# KiCad board FrontEnd_5G.kicad_pcb (continued)
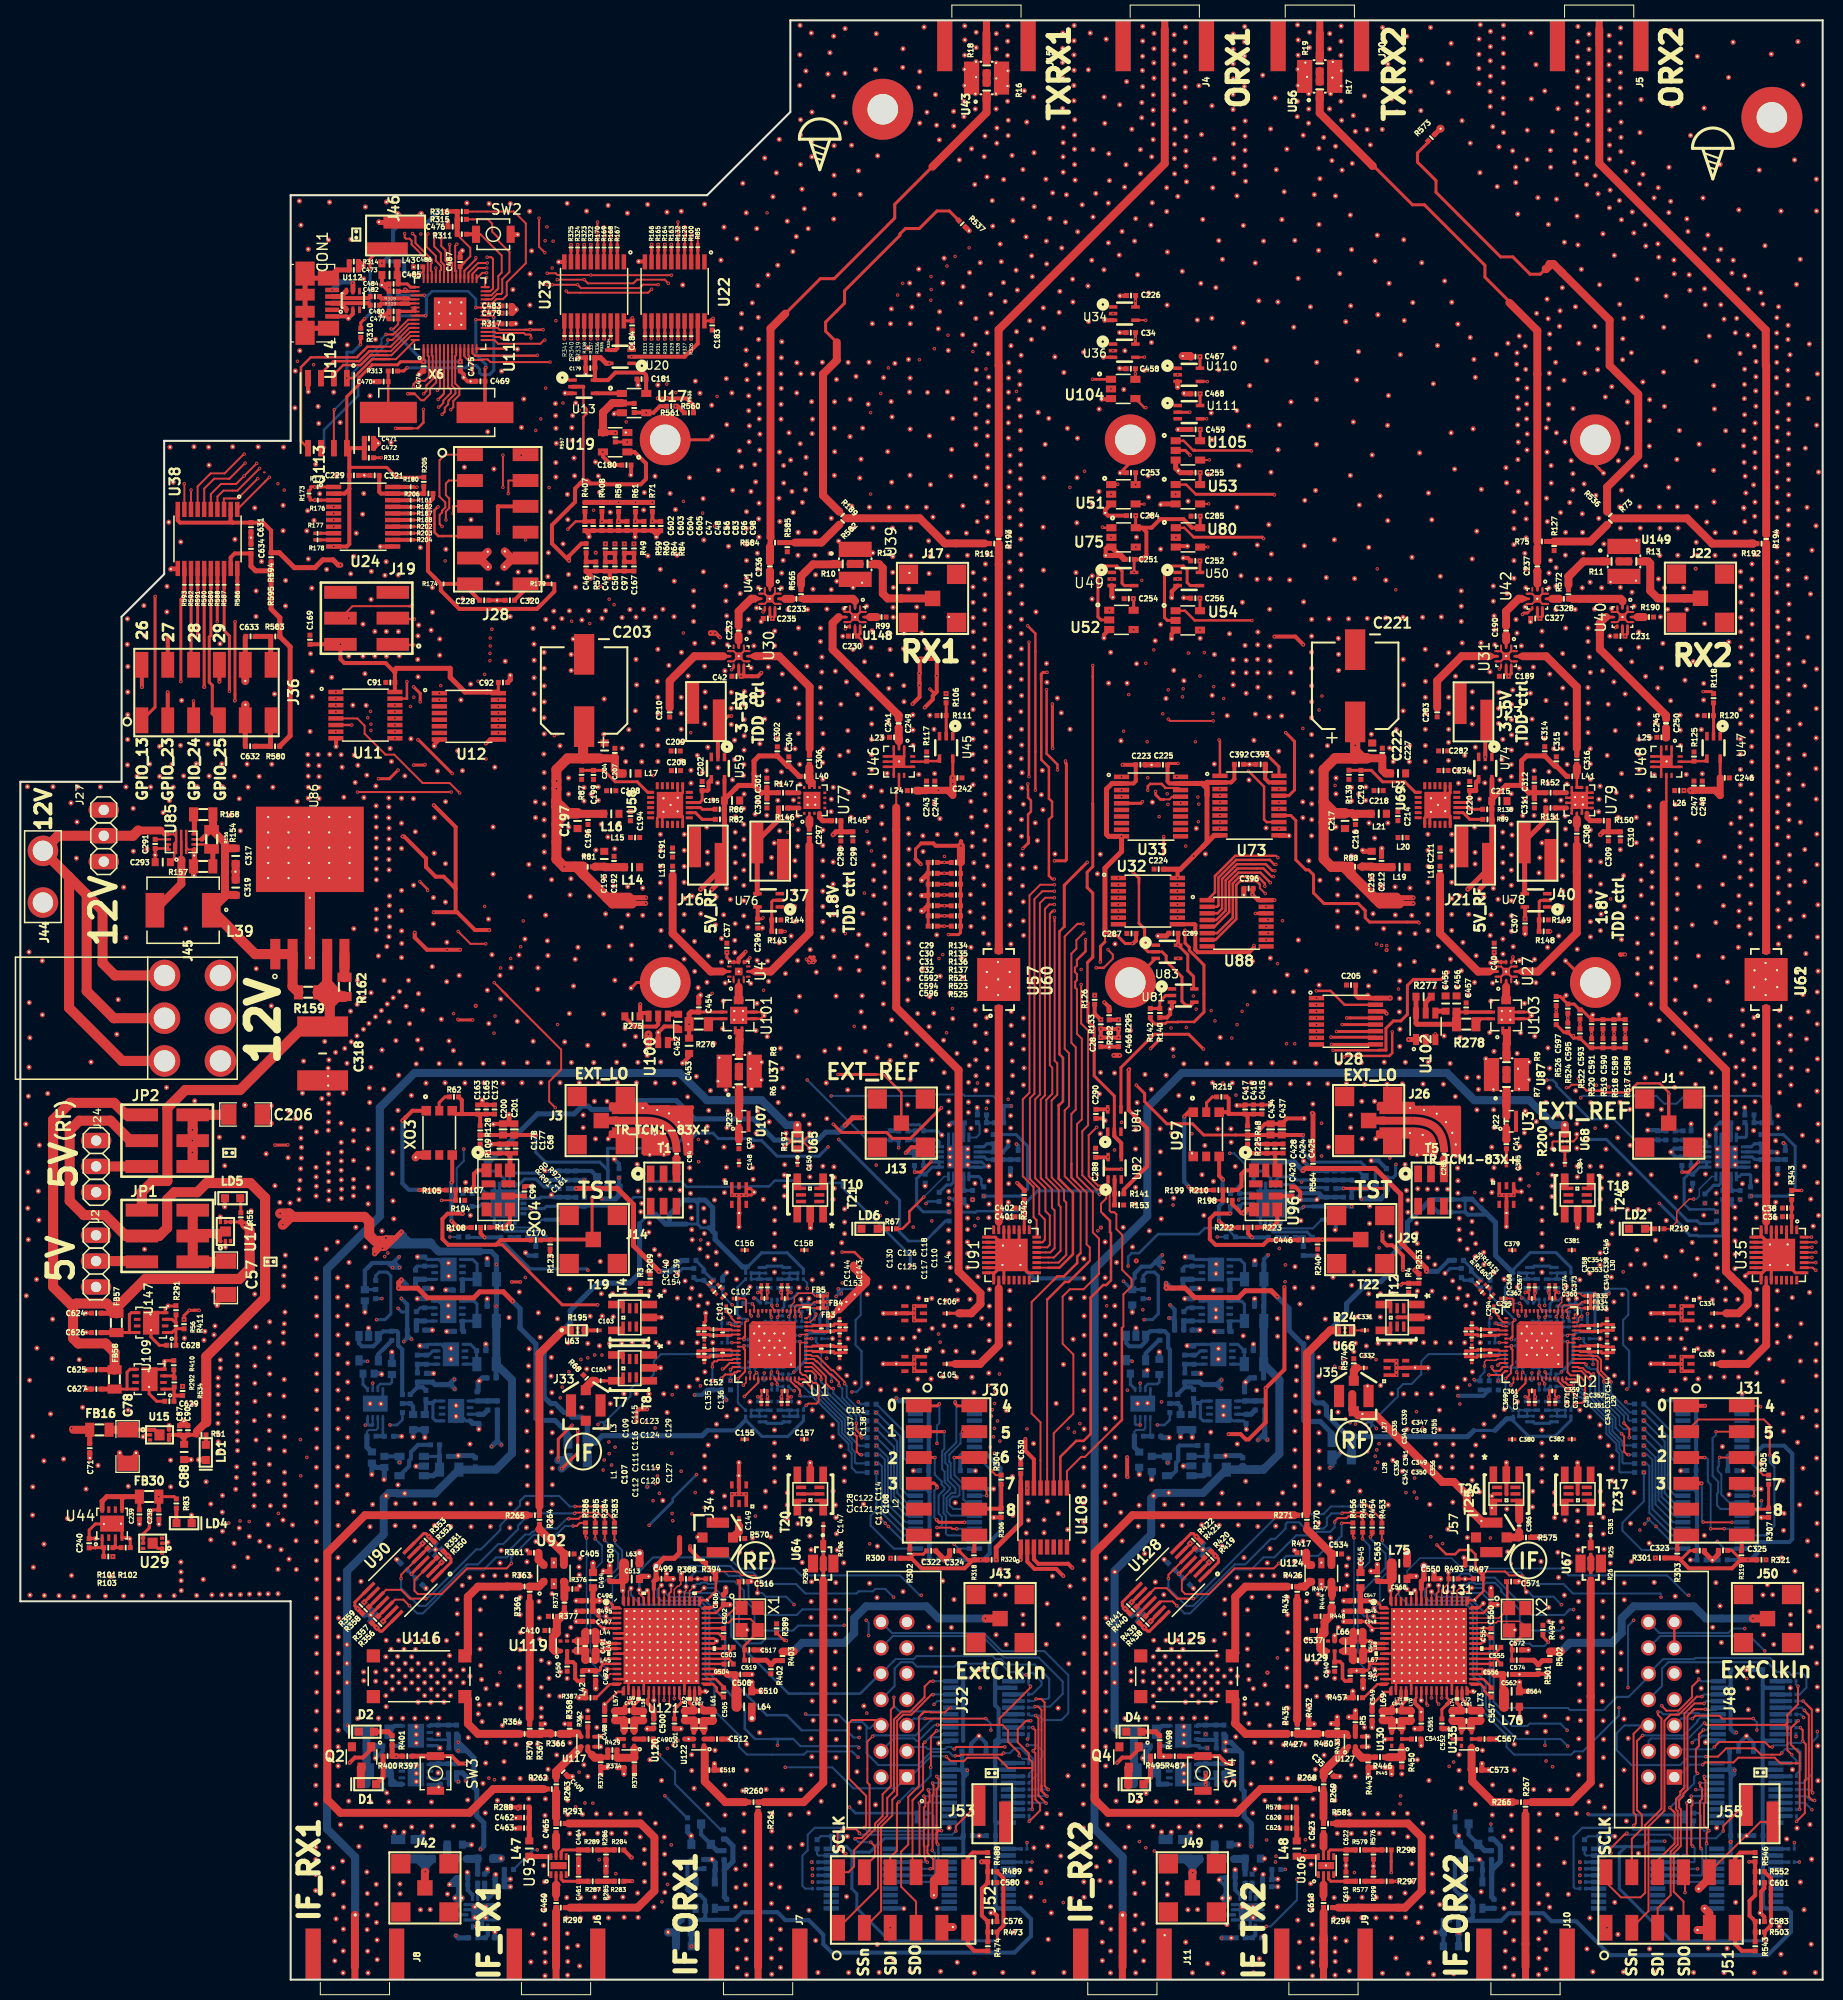
[diagram p0: board, top side]
## Routing (per net, layer and track width the routed paths; a pad name or vN(x,y) marks a point on that pad's centre or on a via; arc(x,y) is an arc through that point) (continued)
Net-(R590-Pad1): length 1.3
  F.RO w0.4: R590.1 18.08,137.38 18.08,138.71
Net-(R591-Pad1): length 1.3
  F.RO w0.4: R591.1 17.42,137.38 U38.14
Net-(R592-Pad1): length 1.3
  F.RO w0.4: R592.1 16.77,137.38 U38.13
Net-(R593-Pad1): length 1.3
  F.RO w0.4: U38.12 16.12,138.71 R593.1
Net-(U11-Pad9): length 13.1
  F.FR4 w0.25: v1(38.35,125.14) 38.5,124.99 44.46,124.99 44.61,125.14 45.18,125.14 45.18,125.15 v1(46.99,125.15)
  B.FR4 w0.25: v1(38.35,125.14) 37.98,125.14 37.35,124.51 37.35,122.03 37.34,122.02 v1(36.82,122.02) ; 46.99,125.14 v1(46.99,125.15)
  B.FR4 w0.3: 36.82,122.01 v1(36.82,122.02)
Net-(U13-Pad4): length 2.7
  F.RO w0.4: U17.1 59.12,155.92 U13.4
Net-(U28-Pad9): length 41.1
  F.RO w0.25: 113.84,106.98 113.84,106.99 v1(113.74,106.99) ; v1(128.88,91.92) 128.89,91.93 U28.9
  F.RO w0.3: 128.89,91.93 v1(128.88,91.92) 133.21,91.92 U28.9
  F.FR4 w0.2: 128.38,92.31 128.76,91.92 ; 128.38,92.31 128.76,91.92 ; 128.38,92.31 128.38,92.96 128.43,93.01 128.43,97.79 127.71,98.51 125.93,98.51 124.84,99.6 123.84,99.6 v1(123.58,99.86) ; 128.76,91.92 v1(128.88,91.92) 128.76,91.92 ; 122.06,105.03 121.71,105.39 121.28,105.39 120.71,104.81 120.36,104.81 120.36,104.81 ; 122.06,105.03 122.12,104.97 ; 122.06,105.03 122.26,104.83
  F.FR4 w0.25: 120.36,104.81 117.66,104.81 115.49,106.98 ; 122.26,104.83 123.32,104.83 v1(124.07,104.08) ; 115.49,106.98 113.84,106.98 115.49,106.98 ; 115.49,106.98 113.75,106.98 v1(113.74,106.99)
  B.FR4 w0.2: 124.01,104.02 v1(124.07,104.08)
  B.FR4 w0.25: v1(113.74,106.99) 113.74,106.98 ; 124.01,104.02 124.01,100.31 123.58,99.88 v1(123.58,99.86)
Net-(U32-Pad9): length 16.5
  F.RO w0.3: U88.14 121.58,104.81 U88.14 ; U88.14 121.42,104.81 v1(121.4,104.79) ; 121.27,101.46 v1(121.27,101.65) ; U32.9 113.74,103.71
  F.RO w0.4: 121.27,101.46 120.8,100.99 115.74,100.99 115.5,101.23 115.5,103.67 115.44,103.74 U32.9
  B.FR4 w0.25: v1(121.4,104.79) 121.27,104.66 v1(121.27,101.65)
Net-(U35-Pad7): length 21.8
  F.RO w0.3: 171.62,95.47 U61.1 ; U35.7 171.62,74.5
  F.RO w0.79: U61.1 171.62,95.47 171.62,74.5
Net-(U49-Pad4): length 11
  F.RO w0.3: U49.4 108.52,137.02 108.3,137.24 108.3,138.45 107.8,138.95 106.46,138.95 105.93,138.42 105.93,133.95 106.23,133.65 U52.2
Net-(U50-Pad4): length 11.1
  F.RO w0.3: U50.4 115,137.02 114.7,137.32 114.7,138.58 114.33,138.95 112.86,138.95 112.47,138.56 112.47,133.88 112.75,133.6 U54.2
Net-(U57-Pad1): length 21.8
  F.RO w0.25: U91.7 96.18,74.5
  F.RO w0.79: U57.1 96.18,74.5

## Copper pours and planes (outline as drawn; the poured copper is in the pictures)
+1.8V on F.FR4: 126.08,119.71 126.08,116.14 126.62,115.6 126.62,112.53 127.47,111.68 129.18,111.68 136.19,104.67 156.98,104.67 156.98,101.93 142.39,101.93 141.95,102.37 119.79,102.37 119.79,100.26 107.37,100.26 107.37,119.75 107.58,119.97 125.82,119.97
+1.8V on F.FR4: 50.64,119.71 50.64,116.14 51.18,115.6 51.18,112.53 52.03,111.68 53.74,111.68 60.75,104.67 81.54,104.67 81.54,101.93 66.95,101.93 66.51,102.37 44.35,102.37 44.35,100.26 31.93,100.26 31.93,119.75 32.14,119.97 50.38,119.97
+1.8V_#1 on F.FR4: 69.69,65.34 71.21,65.34 71.35,65.2 73.14,65.2 74.78,63.91 74.79,63.91 80.25,59.62 80.25,58.45 79.21,58.45 73.1,62.76 72.12,63.44 61.64,63.44 56.06,57.86 56.06,56.25 55.97,56.25 55.97,52.3 50.47,46.8 49.33,46.8 48.05,48.08 48.05,49.57 52.57,54.09 52.57,59.57 59.72,66.72 68.31,66.72
+1.8V_#2 on F.FR4: 145.13,65.34 146.65,65.34 146.79,65.2 148.49,65.2 148.88,65.59 152.36,65.59 155.78,62.17 155.78,58.74 155.69,58.74 155.69,58.45 154.65,58.45 154.24,58.74 153.65,58.74 152.24,60.15 148.54,62.76 147.56,63.44 137.08,63.44 131.5,57.86 131.5,56.25 131.41,56.25 131.41,52.3 125.91,46.8 124.77,46.8 123.49,48.08 123.49,49.57 128.01,54.09 128.01,59.57 135.16,66.72 143.75,66.72
+1.8V_PLL_#1 on F.FR4: 73.59,69.81 79.01,69.81 80.91,67.91 80.91,66.92 80.58,66.59 79.64,66.59 79.64,67.49 78.93,68.2 72.51,68.2 72.1,67.79 69.09,70.8 53.05,70.8 47.39,65.14 47.39,49.64 47.4,49.64 47.4,46.2 39.54,46.2 39.54,67.34 49.8,77.6 65.8,77.6
+1.8V_PLL_#2 on F.FR4: 149.03,69.81 154.46,69.81 156.36,67.91 156.36,66.92 156.03,66.59 155.09,66.59 155.09,67.49 154.38,68.2 147.95,68.2 147.54,67.79 144.53,70.8 128.49,70.8 122.83,65.14 122.83,49.64 122.84,49.64 122.84,46.2 114.98,46.2 114.98,67.34 125.24,77.6 141.24,77.6
+1.8V_SC1905_#2 on F.FR4: 130.6,24.92 148.36,24.92 148.36,42.96 130.6,42.96
+1.8V_SC1905_#2 on F.FR4: 55.16,24.92 72.92,24.92 72.92,42.96 55.16,42.96
+1.25V_PLL_#1 on F.FR4: 74.76,60.12 76.38,60.12 76.38,58.64 72.41,58.64 70.42,60.63 68.46,60.63 63.69,55.86 63.69,46.29 59.7,46.29 59.7,59.53 63.2,63.03 71.85,63.03
+1.25V_PLL_#2 on F.FR4: 150.2,60.12 151.82,60.12 151.82,58.64 147.85,58.64 145.86,60.63 143.9,60.63 139.13,55.86 139.13,46.29 135.14,46.29 135.14,59.53 138.64,63.03 147.29,63.03
+3.3V_#1 on F.FR4: 90.79,56.09 91.67,55.21 91.67,47.16 93.03,45.8 93.03,31.28 88.99,31.28 88.99,38.66 88.02,39.63 88.02,44.38 55.97,44.38 55.97,46.29 55.93,46.29 55.93,48.67 56.53,49.27 56.53,57.27 58.56,57.27 58.56,53.05 58.94,52.67 58.94,51.5 58.56,51.12 58.56,47.04 57.99,46.47 57.99,45.95 75.3,45.95 75.49,46.14 86.32,46.14 86.32,55.14 83.38,58.08 83.38,70.56 90.79,70.56
+3.3V_#2 on F.FR4: 166.23,56.09 167.11,55.21 167.11,47.16 168.47,45.8 168.47,31.28 164.43,31.28 164.43,38.66 163.46,39.63 163.46,44.38 131.41,44.38 131.41,46.29 131.37,46.29 131.37,48.67 131.97,49.27 131.97,57.27 134,57.27 134,47.04 133.43,46.47 133.43,45.95 150.74,45.95 150.93,46.14 161.76,46.14 161.76,55.14 158.82,58.08 158.82,70.17 166.23,70.17
+5V on F.FR4: 113.26,44.74 110.02,41.5 110.02,27.25 105.79,27.25 105.79,44.69 108.16,47.06 108.16,69.28 112.89,74.01 113.26,74.01
+5V on F.FR4: 37.82,44.74 34.58,41.5 34.58,27.25 30.35,27.25 30.35,44.69 32.72,47.06 32.72,69.28 34.1,70.66 34.1,71.23 34.89,72.02 34.89,74.01 37.82,74.01
+5V_RF on F.FR4: 133.16,120.71 152.38,120.71 155.63,117.46 158.26,117.46 158.26,105.02 136.88,105.02 136.43,105.47 136.43,106.68 137.58,107.83 137.58,107.94 143.02,107.94 143.02,112.22 143.94,113.14 143.94,116.31 133.16,116.31 133.16,112.97 127.35,112.97 127.35,127.68 133.16,127.68
+5V_RF on F.FR4: 57.72,120.71 76.94,120.71 80.19,117.46 82.82,117.46 82.82,105.02 61.44,105.02 60.99,105.47 60.99,106.68 62.14,107.83 62.14,107.94 67.58,107.94 67.58,112.22 68.5,113.14 68.5,116.31 57.72,116.31 57.72,112.97 51.91,112.97 51.91,127.68 57.72,127.68
GND on F.RO: 177.17,0 26.57,0 26.57,37.19 0,37.19 0,117.74 9.95,117.74 9.95,133.96 14.14,138.15 14.14,151.25 26.57,151.25 26.57,175.39 67.51,175.39 75.69,183.57 75.69,192.58 177.17,192.58 ; 34 cut-outs
GND on F.RO: 59.33,113.94 59.33,110.01 52.95,110.01 52.95,113.94
GND on F.RO: 134.78,110.09 128.82,110.09 128.82,113.98 134.78,113.98
GND on F.RO: 177.17,0 26.57,0 26.57,37.19 0,37.19 0,117.74 9.95,117.74 9.95,133.96 14.14,138.15 14.14,151.25 26.57,151.25 26.57,175.39 67.51,175.39 75.69,183.57 75.69,192.58 177.17,192.58 ; 10 cut-outs
GND on B2.RO: 177.17,0 26.57,0 26.57,37.19 0,37.19 0,117.74 9.95,117.74 9.95,133.96 14.14,138.15 14.14,151.25 26.57,151.25 26.57,175.39 67.51,175.39 75.69,183.57 75.69,192.58 177.17,192.58
GND on B2.RO: 120.34,81.12 125.63,81.12 127.12,79.63 127.12,78.64 125.54,78.64 124.59,79.59 120.34,79.59
GND on B2.RO: 137.83,69.09 139.47,69.09 140.64,70.26 141.44,70.26 141.44,71.36 139.8,71.36 138.76,70.32 137.83,70.32
GND on B2.RO: 66.53,85.32 72.07,85.32 74.31,83.08 79.09,83.08 80.59,84.58 81.73,84.58 81.73,83.56 80.13,81.96 73.92,81.96 71.9,83.98 65.91,83.98 64.04,85.85 59.71,85.85 58.9,85.04 55.29,85.04 54.73,84.48 51.23,84.48 46.65,79.9 45,79.9 45,81.08 45.47,81.08 50.09,85.7 53.9,85.7 54.51,86.31 57.83,86.31 58.63,87.11 64.74,87.11
GND on B.RO: 177.17,0 26.57,0 26.57,37.19 0,37.19 0,117.74 9.95,117.74 9.95,133.96 14.14,138.15 14.14,151.25 26.57,151.25 26.57,175.39 67.51,175.39 75.69,183.57 75.69,192.58 177.17,192.58
GND on F.FR4: 177.17,0 26.57,0 26.57,37.19 0,37.19 0,117.74 9.95,117.74 9.95,133.96 14.14,138.15 14.14,151.25 26.57,151.25 26.57,175.39 67.51,175.39 75.69,183.57 75.69,192.58 177.17,192.58 ; 2 cut-outs
GND on B.FR4: 177.17,0 26.57,0 26.57,37.19 0,37.19 0,117.74 9.95,117.74 9.95,133.96 14.14,138.15 14.14,151.25 26.57,151.25 26.57,175.39 67.51,175.39 75.69,183.57 75.69,192.58 177.17,192.58
GND on F2.RO: 177.17,0 26.57,0 26.57,37.19 0,37.19 0,117.74 9.95,117.74 9.95,133.96 14.14,138.15 14.14,151.25 26.57,151.25 26.57,175.39 67.51,175.39 75.69,183.57 75.69,192.58 177.17,192.58
/Clocks/EX1_#1 on F.RO: 69.57,66.07 69.13,66.07 68.01,67.2 68.51,67.7 69.57,66.64
/Clocks/EX1_#2 on F.RO: 145.02,66.07 144.58,66.07 143.46,67.2 143.96,67.7 145.02,66.64
/Clocks/EX2_#1 on F.RO: 70.23,66.78 69.71,66.78 68.65,67.84 69.15,68.33 70.23,67.26
/Clocks/EX2_#2 on F.RO: 145.68,66.78 145.16,66.78 144.1,67.84 144.6,68.33 145.68,67.26
/Clocks/EX3_#1 on F.RO: 68.35,67.87 67.85,67.37 62.62,72.61 62.62,77.01 63.75,77.01 63.75,72.46
/Clocks/EX3_#2 on F.RO: 143.79,67.87 143.29,67.37 138.06,72.61 138.06,77.01 139.19,77.01 139.19,72.46
/Clocks/EX4_#1 on F.RO: 68.98,68.51 68.49,68.01 63.97,72.54 63.97,77.01 65.21,77.01 65.21,72.28
/Clocks/EX4_#2 on F.RO: 144.42,68.51 143.93,68.01 139.41,72.54 139.41,77.01 140.65,77.01 140.65,72.28
/Clocks/EX5_#1 on F.RO: 64.13,78.37 64.13,80.29 64.34,80.76 64.34,81.06 64.69,81.06 64.69,80.76 64.89,80.29 64.89,78.37
/Clocks/EX5_#2 on F.RO: 139.56,78.38 139.56,80.3 139.77,80.77 139.77,81.07 140.12,81.07 140.12,80.77 140.32,80.3 140.32,78.38
/LMS8001_RF/IN_A1_#1 on F.RO: 56.86,63.44 59.43,63.44 59.43,64.2 56.86,64.2
/LMS8001_RF/IN_A1_#2 on F.RO: 132.3,63.44 134.87,63.44 134.87,64.2 132.3,64.2
/LMS8001_RF/IN_A2_#1 on F.RO: 66.82,64.14 66.63,63.88 66.47,63.84 66.37,63.84 65.02,65.19 63.77,65.19 63.07,65.88 62.71,65.88 62.61,65.98 61.56,65.98 61.56,65.98 60.96,65.98 60.73,65.74 60.73,65.49 60.38,65.49 60.38,66.49 60.73,66.84 63.11,66.84 63.52,66.84 64.18,66.19 65.43,66.19 66.82,64.8
/LMS8001_RF/IN_A2_#2 on F.RO: 142.26,64.14 142.07,63.88 141.91,63.84 141.81,63.84 140.46,65.19 139.21,65.19 138.51,65.88 138.15,65.88 138.05,65.98 137,65.98 137,65.98 136.4,65.98 136.17,65.74 136.17,65.49 135.82,65.49 135.82,66.49 136.17,66.84 138.55,66.84 138.96,66.84 139.62,66.19 140.87,66.19 142.26,64.8
/LMS8001_RF/IN_A3_#1 on F.RO: 66.82,63.29 66.47,63.29 66.38,63.19 65.36,63.19 64.56,64 64.2,64 63.55,63.35 60.73,63.35 60.5,63.58 60.39,63.7 60.39,64.7 60.74,64.7 60.74,64.44 60.97,64.21 61.58,64.21 61.59,64.2 62.61,64.2 62.72,64.31 63.09,64.31 63.78,65 64.96,65 66.37,63.59 66.82,63.59
/LMS8001_RF/IN_A3_#2 on F.RO: 142.26,63.29 141.91,63.29 141.82,63.19 140.8,63.19 140,64 139.64,64 138.99,63.35 136.17,63.35 135.94,63.58 135.83,63.7 135.83,64.7 136.18,64.7 136.18,64.44 136.41,64.21 137.02,64.21 137.03,64.2 138.05,64.2 138.16,64.31 138.53,64.31 139.22,65 140.4,65 141.81,63.59 142.26,63.59
/LMS8001_RF/IN_B1_#1 on F.RO: 59.42,58.48 57.23,58.48 57.23,59.24 59.42,59.24
/LMS8001_RF/IN_B1_#2 on F.RO: 132.19,60.5 133.8,60.5 134.01,60.3 134.72,60.3 134.72,59.94 134.01,59.94 133.81,59.74 132.19,59.74
/LMS8001_RF/IN_B2_#1 on F.RO: 66.82,61.63 66.37,61.63 64.96,60.23 63.77,60.23 63.08,60.92 62.71,60.92 62.61,61.02 62.6,61.02 60.97,61.02 60.73,60.78 60.73,60.53 60.38,60.53 60.38,61.53 60.73,61.88 63.54,61.88 64.19,61.23 64.55,61.23 65.35,62.03 66.37,62.03 66.46,61.94 66.82,61.94
/LMS8001_RF/IN_B2_#2 on F.RO: 142.26,61.63 141.81,61.63 140.4,60.23 139.21,60.23 138.52,60.92 138.15,60.92 138.05,61.02 138.04,61.02 136.41,61.02 136.17,60.78 136.17,60.53 135.82,60.53 135.82,61.53 136.17,61.88 138.98,61.88 139.63,61.23 139.99,61.23 140.79,62.03 141.81,62.03 141.9,61.94 142.26,61.94
/LMS8001_RF/IN_B3_#1 on F.RO: 66.82,60.41 65.43,59.03 64.18,59.03 63.53,58.38 60.94,58.38 60.73,58.38 60.38,58.73 60.38,59.73 60.73,59.73 60.73,59.47 60.97,59.24 62.58,59.24 62.62,59.24 62.72,59.33 63.07,59.33 63.77,60.03 65.02,60.03 66.37,61.38 66.47,61.38 66.64,61.34 66.82,61.08
/LMS8001_RF/IN_B3_#2 on F.RO: 142.26,60.41 140.87,59.03 139.62,59.03 138.97,58.38 136.38,58.38 136.17,58.38 135.82,58.73 135.82,59.73 136.17,59.73 136.17,59.47 136.41,59.24 138.02,59.24 138.06,59.24 138.16,59.33 138.51,59.33 139.21,60.03 140.46,60.03 141.81,61.38 141.91,61.38 142.08,61.34 142.26,61.08
/LMS8001_RF/IN_C1_#1 on F.RO: 90.95,60.14 89.33,60.14 89.12,60.35 88.42,60.35 88.42,60.71 89.13,60.71 89.32,60.9 90.95,60.9
/LMS8001_RF/IN_C1_#2 on F.RO: 166.39,60.14 164.77,60.14 164.56,60.35 163.86,60.35 163.86,60.71 164.57,60.71 164.76,60.9 166.39,60.9
/LMS8001_RF/IN_C2_#1 on F.RO: 87.31,59.03 87.06,58.78 84.26,58.78 83.6,59.43 82.35,59.43 80.96,60.81 80.96,61.48 81.15,61.74 81.31,61.78 81.42,61.78 82.77,60.42 84.02,60.42 84.71,59.73 85.07,59.73 85.17,59.64 86.24,59.64 86.6,59.99 87.31,59.99
/LMS8001_RF/IN_C2_#2 on F.RO: 162.75,59.03 162.5,58.78 159.7,58.78 159.04,59.43 157.79,59.43 156.4,60.81 156.4,61.48 156.59,61.74 156.75,61.78 156.86,61.78 158.21,60.42 159.46,60.42 160.15,59.73 160.51,59.73 160.61,59.64 161.68,59.64 162.04,59.99 162.75,59.99
/LMS8001_RF/IN_C3_#1 on F.RO: 87.31,61.05 86.6,61.05 86.23,61.42 85.18,61.42 85.07,61.32 84.71,61.32 84.02,60.63 82.83,60.63 81.42,62.04 80.97,62.04 80.97,62.34 81.33,62.34 81.42,62.43 82.43,62.43 83.24,61.63 83.6,61.63 84.24,62.28 87.06,62.28 87.31,62.03
/LMS8001_RF/IN_C3_#2 on F.RO: 162.75,61.05 162.04,61.05 161.67,61.42 160.62,61.42 160.51,61.32 160.15,61.32 159.46,60.63 158.27,60.63 156.86,62.04 156.41,62.04 156.41,62.34 156.77,62.34 156.86,62.43 157.87,62.43 158.68,61.63 159.04,61.63 159.68,62.28 162.5,62.28 162.75,62.03
/LMS8001_RF/IN_D1_#1 on F.RO: 90.95,65.11 89.33,65.11 89.12,65.32 88.42,65.32 88.42,65.68 89.13,65.68 89.32,65.87 90.95,65.87
/LMS8001_RF/IN_D1_#2 on F.RO: 166.39,65.11 164.77,65.11 164.56,65.32 163.86,65.32 163.86,65.68 164.57,65.68 164.76,65.87 166.39,65.87
/LMS8001_RF/IN_D2_#1 on F.RO: 87.3,63.98 87.06,63.74 84.24,63.74 83.6,64.39 83.24,64.39 82.43,63.59 81.42,63.59 81.32,63.68 80.97,63.68 80.97,63.99 81.42,63.99 82.83,65.39 84.02,65.39 84.71,64.71 85.07,64.71 85.18,64.6 86.22,64.6 86.59,64.97 87.3,64.97
/LMS8001_RF/IN_D2_#2 on F.RO: 162.74,63.98 162.5,63.74 159.68,63.74 159.04,64.39 158.68,64.39 157.87,63.59 156.86,63.59 156.76,63.68 156.41,63.68 156.41,63.99 156.86,63.99 158.27,65.39 159.46,65.39 160.15,64.71 160.51,64.71 160.62,64.6 161.66,64.6 162.03,64.97 162.74,64.97
/LMS8001_RF/IN_D3_#1 on F.RO: 87.3,66.02 86.59,66.02 86.23,66.38 85.22,66.38 85.12,66.29 84.71,66.29 84.02,65.6 82.77,65.6 81.42,64.24 81.31,64.24 81.15,64.28 80.96,64.54 80.96,65.21 82.35,66.59 83.6,66.59 84.26,67.25 87.06,67.25 87.3,67
/LMS8001_RF/IN_D3_#2 on F.RO: 162.74,66.02 162.03,66.02 161.67,66.38 160.66,66.38 160.56,66.29 160.15,66.29 159.46,65.6 158.21,65.6 156.86,64.24 156.75,64.24 156.59,64.28 156.4,64.54 156.4,65.21 157.79,66.59 159.04,66.59 159.7,67.25 162.5,67.25 162.74,67
/LMS8001_RF/OUT_A1_#1 on F.RO: 71.03,78.59 70.83,78.39 70.83,77.68 70.47,77.68 70.47,78.39 70.27,78.59 70.27,80.14 71.03,80.14
/LMS8001_RF/OUT_A1_#2 on F.RO: 146.47,78.59 146.27,78.39 146.27,77.68 145.91,77.68 145.91,78.39 145.71,78.59 145.71,80.14 146.47,80.14
/LMS8001_RF/OUT_A2_#1 on F.RO: 73.62,68.17 73.27,68.17 73.27,68.48 71.28,70.63 71.28,75.75 71.18,75.85 71.18,76.56 72.05,76.56 72.05,76.28 72.3,76.06 73.31,76.06 73.31,70.62 73.62,68.47
/LMS8001_RF/OUT_A2_#2 on F.RO: 149.06,68.17 148.71,68.17 148.71,68.48 146.72,70.63 146.72,75.75 146.62,75.85 146.62,76.56 147.49,76.56 147.49,76.28 147.74,76.06 148.75,76.06 148.75,70.62 149.06,68.47
/LMS8001_RF/OUT_A3_#1 on F.RO: 73.03,68.17 72.67,68.17 69.13,70.62 69.13,71.84 67.98,72.99 67.97,76.06 69,76.06 69.23,76.29 69.23,76.56 70.12,76.56 70.12,75.85 70.01,75.73 70.01,73.85 71.16,72.7 71.16,70.58 73.03,68.57
/LMS8001_RF/OUT_A3_#2 on F.RO: 148.47,68.17 148.11,68.17 144.57,70.62 144.57,71.84 143.42,72.99 143.41,76.06 144.44,76.06 144.67,76.29 144.67,76.56 145.56,76.56 145.56,75.85 145.45,75.73 145.45,73.85 146.6,72.7 146.6,70.58 148.47,68.57
/LMS8001_RF/OUT_B1_#1 on F.RO: 70.83,46.45 71.02,46.26 71.02,45.28 70.26,45.28 70.26,46.25 70.47,46.46 70.47,47.16 70.83,47.16
/LMS8001_RF/OUT_B2_#1 on F.RO: 73.03,56.25 71.16,54.25 71.16,52.13 70.01,50.97 70.01,49.09 70.12,48.99 70.12,48.27 69.23,48.27 69.23,48.53 69.01,48.76 67.98,48.76 67.98,51.84 69.13,52.98 69.13,54.21 72.68,56.66 73.03,56.66
/LMS8001_RF/OUT_B2_#2 on F.RO: 148.47,56.25 146.6,54.25 146.6,52.13 145.45,50.97 145.45,49.09 145.56,48.99 145.56,48.27 144.67,48.27 144.67,48.53 144.45,48.76 143.42,48.76 143.42,51.84 144.57,52.98 144.57,54.21 148.12,56.66 148.47,56.66
/LMS8001_RF/OUT_B3_#1 on F.RO: 73.62,56.35 73.3,54.21 73.3,48.76 72.26,48.76 72.05,48.54 72.05,48.27 71.18,48.27 71.18,48.99 71.27,49.08 71.27,54.19 73.27,56.34 73.27,56.66 73.62,56.66
/LMS8001_RF/OUT_B3_#2 on F.RO: 149.06,56.35 148.74,54.21 148.74,48.76 147.7,48.76 147.49,48.54 147.49,48.27 146.62,48.27 146.62,48.99 146.71,49.08 146.71,54.19 148.71,56.34 148.71,56.66 149.06,56.66
/LMS8001_RF/OUT_C1_#1 on F.RO: 79.32,44.7 78.55,44.7 78.55,47.26 79.32,47.26
/LMS8001_RF/OUT_C1_#2 on F.RO: 154.76,44.7 153.99,44.7 153.99,47.26 154.76,47.26
/LMS8001_RF/OUT_C2_#1 on F.RO: 77.25,48.2 76.25,48.2 76.25,48.52 76.02,48.75 74.98,48.75 74.98,54.2 74.66,56.34 74.66,56.65 75.02,56.65 75.02,56.33 77.01,54.18 77.01,49.07 77.01,48.78 77.25,48.55
/LMS8001_RF/OUT_C2_#2 on F.RO: 152.69,48.2 151.69,48.2 151.69,48.52 151.46,48.75 150.42,48.75 150.42,54.2 150.1,56.34 150.1,56.65 150.46,56.65 150.46,56.33 152.45,54.18 152.45,49.07 152.45,48.78 152.69,48.55
/LMS8001_RF/OUT_C3_#1 on F.RO: 80.32,48.76 79.29,48.76 79.05,48.52 79.05,48.2 78.05,48.2 78.05,48.56 78.28,48.79 78.28,50.97 77.13,52.12 77.13,54.24 75.26,56.25 75.26,56.66 75.62,56.66 79.16,54.21 79.16,52.98 80.31,51.83
/LMS8001_RF/OUT_C3_#2 on F.RO: 155.76,48.76 154.73,48.76 154.49,48.52 154.49,48.2 153.49,48.2 153.49,48.56 153.72,48.79 153.72,50.97 152.57,52.12 152.57,54.24 150.7,56.25 150.7,56.66 151.06,56.66 154.6,54.21 154.6,52.98 155.75,51.83
/LMS8001_RF/OUT_D1_#1 on F.RO: 76.76,78.55 76.58,78.38 76.22,78.36 75.99,78.59 75.99,80.16 76.76,80.16
/LMS8001_RF/OUT_D1_#2 on F.RO: 152.2,78.55 152.02,78.38 151.66,78.36 151.43,78.59 151.43,80.16 152.2,80.16
/LMS8001_RF/OUT_D2_#1 on F.RO: 80.31,76.07 80.31,73 79.16,71.85 79.16,70.62 75.61,68.17 75.26,68.17 75.26,68.58 77.12,70.59 77.12,72.71 78.28,73.87 78.28,76.08 78.04,76.31 78.04,76.67 79.05,76.67 79.05,76.31 79.28,76.07
/LMS8001_RF/OUT_D2_#2 on F.RO: 155.75,76.07 155.75,73 154.6,71.85 154.6,70.62 151.05,68.17 150.7,68.17 150.7,68.58 152.56,70.59 152.56,72.71 153.72,73.87 153.72,76.08 153.48,76.31 153.48,76.67 154.49,76.67 154.49,76.31 154.72,76.07
/LMS8001_RF/OUT_D3_#1 on F.RO: 77.25,76.31 77.02,76.08 77.02,75.76 77.02,70.64 75.02,68.5 75.02,68.18 74.67,68.18 74.67,68.48 74.98,70.63 74.98,76.08 76.02,76.08 76.24,76.3 76.24,76.66 77.25,76.66
/LMS8001_RF/OUT_D3_#2 on F.RO: 152.69,76.31 152.46,76.08 152.46,75.76 152.46,70.64 150.46,68.5 150.46,68.18 150.11,68.18 150.11,68.48 150.42,70.63 150.42,76.08 151.46,76.08 151.68,76.3 151.68,76.66 152.69,76.66
/RF/PA1_A/z5 on F.RO: 60.38,114.22 60.38,111.91 59.58,111.91 59.58,114.22
/RF/PA2_A/RF_in on F.RO: 139.94,104.17 139.14,104.17 139.14,108.89 139.94,108.89
/RF/PA2_A/RF_out on F.RO: 139.67,126.98 139.67,124.67 138.88,124.67 138.88,126.98
/RF/PA2_A/z5 on F.RO: 135.83,114.23 135.83,111.91 135.03,111.91 135.03,114.23
RF_IN_D_#1 on F.RO: 86.5,114.65 85.71,114.65 85.71,116.88 86.24,118.12 86.24,118.58 86.5,118.58
RF_IN_D_#2 on F.RO: 161.94,114.62 161.15,114.62 161.15,116.85 161.68,118.09 161.68,118.55 161.94,118.55
RF_IN_D_#2 on F.RO: 168.05,65.89 168.05,65.11 166.71,65.11 166.71,65.89
RF_OUT_A_#1 on F.RO: 70.25,80.39 71.04,80.39 71.04,81.93 70.25,81.93
RF_OUT_A_#2 on F.RO: 146.48,80.4 146.48,81.92 145.7,81.92 145.7,80.4
Vdio on F.FR4: 92.21,117.34 90.31,115.45 90.79,114.97 90.79,73.48 83.38,73.48 83.38,99.55 69.29,99.55 69.29,97.84 81.48,97.84 81.48,90.63 69.29,90.63 69.29,90.57 48.01,90.57 48.01,90.45 33.73,90.45 33.73,72.32 33.38,72.32 23.39,62.33 14.2,62.33 14.2,67.16 21.99,67.16 25.4,70.57 25.4,72.32 25.09,72.32 25.09,91.79 29.43,96.13 31.52,96.13 31.52,96.23 44.84,96.23 44.84,102.07 66.2,102.07 66.66,101.61 83.38,101.61 83.38,130.97 72.31,130.97 72.31,126.06 67.33,126.06 67.33,135.67 92.21,135.67
Vdio on F.FR4: 167.65,117.34 165.75,115.45 166.23,114.97 166.23,72.51 158.82,72.51 158.82,99.55 144.73,99.55 144.73,90.57 123.45,90.57 123.45,90.45 106.96,90.45 106.96,96.23 120.28,96.23 120.28,102.07 141.64,102.07 142.1,101.61 158.82,101.61 158.82,130.97 147.75,130.97 147.75,126.06 142.77,126.06 142.77,135.67 167.65,135.67
Net-(C147-Pad2) on F.RO: 78.53,42.87 79.32,42.87 79.32,44.35 78.53,44.35
Net-(C150-Pad2) on F.RO: 75.98,80.41 76.77,80.41 76.77,81.99 75.98,81.99
Net-(C191-Pad1) on F.RO: 64.5,110.68 64.5,109.08 63.7,109.08 63.7,110.68
Net-(C191-Pad2) on F.RO: 63.95,113.02 63.95,113.82 64.26,113.82 64.26,113.02 64.5,112.78 64.5,110.88 63.7,110.88 63.7,112.77
Net-(C194-Pad1) on F.RO: 61.25,115.59 61.49,115.35 62.19,115.35 62.19,115.05 61.5,115.05 61.25,114.8 60.38,114.8 60.38,114.42 59.58,114.42 59.58,115.59
Net-(C198-Pad1) on F.RO: 59.25,116.05 59.25,114.22 58.15,114.22 58.15,117.31 60.44,117.31 61.4,116.35 62.25,116.35 62.25,116.05
Net-(C208-Pad1) on F.RO: 63.43,118.96 63.43,124.36 64.22,124.36 64.22,119.08 64.26,119.08 64.26,117 63.96,117 63.96,117.88 63.76,117.88 63.76,117.03 63.46,117.03 63.46,117.88 63.26,117.88 63.26,117.13 62.96,117.13 62.96,118.17 60.39,118.17 60.39,118.96
Net-(C211-Pad1) on F.RO: 139.96,110.69 139.96,109.09 139.14,109.09 139.14,110.69
Net-(C211-Pad2) on F.RO: 139.4,113.02 139.4,113.75 139.71,113.75 139.71,113.03 139.94,112.78 139.94,110.89 139.14,110.89 139.14,112.75
Net-(C214-Pad1) on F.RO: 136.69,115.59 136.94,115.36 137.58,115.36 137.58,115.05 136.94,115.05 136.69,114.81 135.83,114.81 135.83,114.43 135.03,114.43 135.03,115.59
Net-(C218-Pad1) on F.RO: 135.89,117.31 136.84,116.36 137.61,116.36 137.61,116.06 134.69,116.06 134.69,114.2 133.59,114.2 133.59,117.31
Net-(C234-Pad1) on F.RO: 138.88,118.97 138.88,124.37 139.67,124.37 139.67,119.09 139.71,119.09 139.71,117.03 138.4,117.03 138.4,118.17 135.84,118.17 135.84,118.97
Net-(C236-Pad2) on F.RO: 88.18,175.87 86.6,174.28 86.54,173.52 86.22,172.75 80.39,166.92 79.61,166.6 78.85,166.54 77.27,164.96 76.53,164.29 75.26,163.02 74.68,162.67 74.12,163.23 74.48,163.8 75.75,165.07 76.42,165.82 78.11,167.51 78.69,167.75 78.85,167.75 79.61,167.7 85.44,173.52 85.39,174.29 85.39,174.45 85.62,175.02 87.32,176.72 88.07,177.39 89.63,178.95 90.13,179.23 90.69,178.67 90.37,178.14 88.84,176.61
Net-(C237-Pad2) on F.RO: 133.31,178.67 134.66,177.32 135.41,176.64 136.98,175.07 137.75,175.01 138.52,174.69 144.35,168.86 144.67,168.08 144.73,167.32 146.31,165.74 146.98,165 147.52,164.46 147.86,163.9 147.3,163.34 146.74,163.68 146.2,164.22 145.45,164.89 143.76,166.58 143.52,167.16 143.52,167.32 143.57,168.08 137.74,173.91 136.98,173.86 136.82,173.86 136.25,174.09 134.55,175.79 133.88,176.54 132.52,177.9 132.08,178.56 132.64,179.12
Net-(C245-Pad2) on F.RO: 161.94,121.33 161.94,120.89 161.68,120.89 161.68,121.33 161.39,121.61 161.39,122.28 162.18,122.28 162.18,121.56
Net-(C383-Pad2) on F.RO: 153.98,44.46 154.76,44.46 154.76,42.65 153.98,42.65
Net-(C384-Pad2) on F.RO: 152.21,80.41 151.43,80.41 151.43,81.95 152.21,81.95
Net-(L14-Pad2) on F.RO: 60.64,109.74 60.64,112.01 60.63,112.01 60.64,112.02 60.64,114.35 62.2,114.35 62.2,114.05 61.43,114.05 61.43,108.94 60.53,108.94 60.53,109.74
Net-(L19-Pad2) on F.RO: 136.09,109.75 136.09,114.36 137.55,114.36 137.55,114.05 136.88,114.05 136.88,108.95 135.97,108.95 135.97,109.75
Net-(L24-Pad2) on F.RO: 86.99,116.51 86.78,116.69 86.75,116.8 86.75,118.53 87.01,118.53 87.01,118.01 87.15,117.2 87.49,117.2 87.49,116.51
Net-(L26-Pad2) on F.RO: 162.47,116.53 162.33,116.59 162.25,116.69 162.19,116.78 162.19,116.84 162.19,118.56 162.44,118.56 162.44,118.05 162.59,117.25 162.67,117.23 162.97,117.23 162.97,116.53
Net-(R117-Pad1) on F.RO: 89.41,120.65 89.39,120.59 89.34,120.5 89.3,120.47 89.21,120.41 89.14,120.39 88.81,120.3 88.56,120.23 88.09,120.09 87.52,120.09 87.52,120.36 87.99,120.36 88.92,121.06 88.98,121.09 89.04,121.09 89.09,121.09 89.15,121.09 89.2,121.06 89.26,121.03 89.3,121 89.33,120.98 89.38,120.91 89.41,120.83 89.42,120.77 89.42,120.7
Net-(R125-Pad1) on F.RO: 164.84,120.65 164.83,120.59 164.78,120.5 164.74,120.47 164.65,120.41 164.58,120.39 164.25,120.3 164,120.23 163.53,120.09 162.96,120.09 162.96,120.36 163.43,120.36 164.36,121.06 164.42,121.09 164.47,121.09 164.53,121.09 164.59,121.09 164.64,121.06 164.69,121.03 164.74,121 164.77,120.98 164.81,120.91 164.84,120.86 164.84,120.83 164.86,120.77 164.86,120.7
Net-(R189-Pad2) on F.RO: 92.33,173.59 92.95,172.97 92.18,172.19 91.56,172.81 90.81,173.47 90.69,173.6 88.87,171.78 88.3,171.54 88.13,171.54 87.38,171.6 81.54,165.76 81.6,165.01 81.6,164.84 81.36,164.27 79.54,162.45 80.33,161.58 80.93,160.98 80.93,160.97 80.66,160.27 79.86,160.27 79.64,160.71 79.55,160.8 78.8,161.47 78.81,163.43 80.39,165 80.44,165.77 80.75,166.52 80.81,166.59 86.6,172.38 87.37,172.7 88.13,172.75 89.71,174.33 91.67,174.33
